# KiCad board s100_ColorMagic-1.1-006.kicad_pcb (continued)
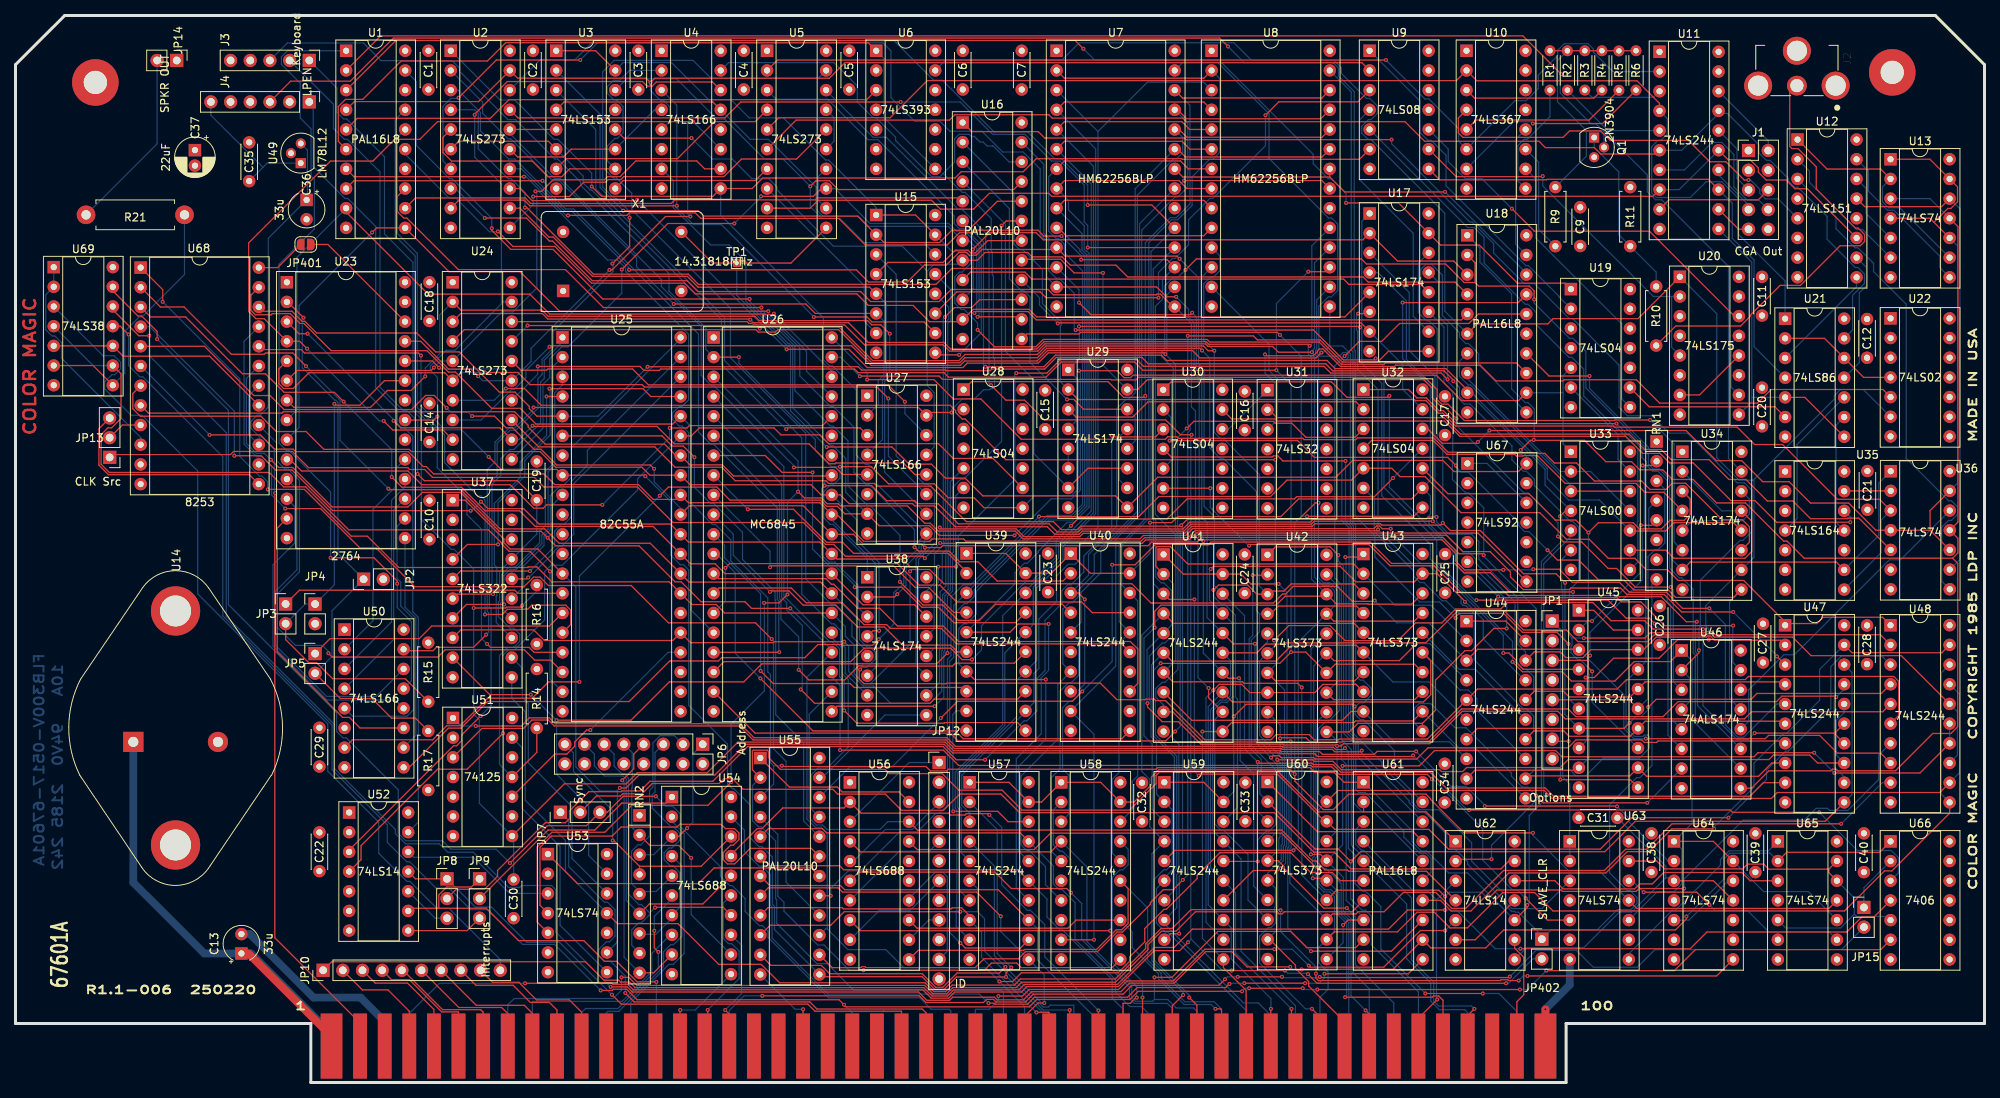
[diagram p0: board, top side]
## Routing (per net, layer and track width the routed paths; a pad name or vN(x,y) marks a point on that pad's centre or on a via; arc(x,y) is an arc through that point) (continued)
  Copper w0.152: U43.2 177.94,61.6 182.58,61.6 U44.2 ; v1(151.42,10.96) 151.42,11.25 146.88,15.79 146.88,26.21 148.12,27.45 148.48,27.45 149.21,28.17 149.21,35.2 U59.2 147.19,37.22 147.19,43.92 146.49,44.62 146.49,49.14 146.25,49.37 146.25,55.03 147.95,56.72 148.27,56.72 149.39,57.84 149.39,64.33 U41.2
DO1: length 103.8
  Component w0.152: U41.4 149.38,59.25 172.67,59.25 U43.5 ; v1(150.62,11.29) 149.23,9.9 P1.35
  Copper w0.152: v1(150.62,11.29) 150.62,11.65 146.6,15.67 146.6,29.53 U59.4 146.33,33 146.33,39.11 145.29,40.14 145.29,57.72 U41.4 ; U43.5 175.28,56.65 182.45,56.65 187.18,51.92
DO2: length 102.9
  Component w0.152: U41.6 149.17,54.38 162.58,54.38 164.63,56.43 172.95,56.43 U43.6
  Copper w0.152: U43.6 177.69,51.69 182.33,51.69 U44.6 ; 158.75,4.7 158.75,9.3 148.62,19.44 148.31,19.44 147.18,20.57 147.18,25.03 U59.6 148.2,26.41 149.49,27.7 149.49,42.02 146.77,44.74 146.77,49.26 146.53,49.49 146.53,53.89 U41.6
DO3: length 97.7
  Component w0.152: U41.8 151.73,46.74 171.16,46.74 172.3,47.88 U43.9
  Copper w0.152: U43.9 177.79,43.97 184.97,43.97 187.18,41.76 ; P1.89 161.93,8.68 160.33,10.27 158.41,10.27 148.2,20.47 U59.8 149.79,22.56 149.79,26.81 150.07,27.09 150.07,43.64 149.12,44.59 149.12,49.35 U41.8
DO4: length 90.3
  Component w0.152: U59.11 155.82,14.83 158.75,11.9 158.75,4.7 ; U43.12 180.28,46.66 172.85,46.66 172.65,46.45 156.88,46.45 U41.11 v1(153.11,45.29)
  Copper w0.152: v1(153.11,45.29) 153.11,18.6 U59.11 ; U44.11 188.45,43.03 186.36,43.03 U43.12
DO5: length 103.3
  Component w0.152: v1(161.95,9.5) 161.93,9.49 P1.39 ; U41.13 156.98,49.11 181.62,49.11 182.56,50.06 182.56,54.44 U43.15
  Copper w0.152: U43.15 186.36,50.65 187.41,50.65 188.54,49.52 188.54,48.02 194.8,41.76 ; v1(161.95,9.5) 161.95,10.83 156.83,15.95 156.83,19.96 U59.13 153.86,22.93 153.86,48.52 U41.13
DO6: length 102
  Component w0.152: 165.1,4.7 164.59,5.2 v1(164.59,9.5) ; U41.15 160.13,55.45 161.26,56.58 163.5,56.58 163.66,56.74 180.19,56.74 U43.16
  Copper w0.152: U43.16 186.23,53.32 188.32,53.32 U44.15 ; v1(164.59,9.5) 157.4,16.7 157.39,16.7 157.39,24.48 U59.15 154.15,27.72 154.15,48.09 155.41,49.35 156.14,49.35 156.73,49.94 156.73,54.45 U41.15
DO7: length 118
  Component w0.152: v1(186.98,62.03) 186.98,62.11 183.42,65.67 U43.19 180.46,64.62 172.88,64.62 170.88,66.62 154.54,66.62 v1(154.19,66.27)
  Copper w0.152: v1(186.98,62.03) 187.05,62.03 189.34,59.74 189.34,57.25 194.67,51.92 194.8,51.92 ; 165.1,4.7 165.1,9.93 158.1,16.93 158.1,28.85 U59.17 154.43,32.52 154.43,47.98 155.52,49.07 156.28,49.07 157.01,49.8 157.01,59.24 U41.17 154.03,62.23 154.03,66.11 v1(154.19,66.27)
DOTCLK: length 270.9
  Component w0.152: 194.9,89.02 193.89,88.01 186.55,88.01 183.27,91.28 144.15,91.28 143.84,90.96 143,90.96 142.11,91.86 v1(137.19,91.86) ; v1(72.75,51.71) 68.77,51.71 66.66,49.6 60.92,49.6 57.36,46.04 55.64,46.04 53.83,44.23 43.46,44.23 U50.7 ; v1(83.11,75.73) 84.23,76.84 90.48,76.84 92.15,75.16 103.83,75.16 104.64,74.36 106.02,74.36 106.99,73.39 U27.7 111.41,71.86 117.93,71.86 119.18,70.6 v1(128.87,70.6)
  Copper w0.152: 194.9,89.02 199.64,89.02 ; 199.64,89.02 199.64,82.4 U33.1 ; 199.64,89.02 199.64,91.23 U19.5 ; v1(83.11,75.73) 72.75,65.36 v1(72.75,51.71) ; v1(137.19,91.86) 137.37,91.69 137.37,76.47 136.22,75.32 133.59,75.32 v1(128.87,70.6) ; U27.7 107.09,76.18 107.09,80.56 105.47,82.19 105.15,82.19 100.26,87.08 100.26,94.93 99.82,95.36 99.69,95.36 94.21,100.84 94.21,105.94 92.06,108.1 89.66,108.1 84.85,112.91 84.85,116.42 U4.7
DOTD0: length 43.9
  Copper w0.152: U50.14 46.52,49.83 40.13,49.83 33.5,56.46 33.5,63.36 36.31,66.17 36.31,76.58 U23.11
DOTD1: length 40.8
  Copper w0.152: U50.12 49.01,49.35 40.19,49.35 33.21,56.33 33.21,66.82 36.03,69.63 36.03,74.32 U23.12
DOTD2: length 38.1
  Component w0.152: U23.13 33.76,71.56 33.76,55.56 42.19,47.12 43.07,47.12 44.44,45.75 U50.11
DOTD3: length 28.3
  Copper w0.152: U23.15 50.24,61.35 51.65,59.95 51.65,44.8 U50.10
DOTD4: length 35.7
  Copper w0.152: U50.5 43.46,47.28 50.51,47.28 51.36,48.13 51.36,59.83 49.7,61.49 49.7,64.58 49.21,65.06 49.21,71.77 U23.16
DOTD5: length 27.7
  Copper w0.152: U50.4 48.78,57.17 48.78,73.88 U23.17
DOTD6: length 27.7
  Copper w0.152: U50.3 48.5,59.43 48.5,75.13 50.24,76.88 U23.18
DOTD7: length 27.7
  Copper w0.152: U23.19 49.02,79.2 49.02,76.89 46.11,73.98 46.11,59.58 U50.2
ENABLE_BLINK: length 175.3
  Component w0.152: v1(137.76,133.42) 136.69,134.48 49.06,134.48 U1.3 ; v1(171.64,113.51) 178.4,113.51 U17.15 183.84,108.08 188.83,108.08 193.75,103.16 199.88,103.16 U19.1
  Copper w0.152: v1(171.64,113.51) 171.64,114.71 169.71,116.64 169.34,116.64 167.4,118.59 167.4,119.79 155.21,131.98 139.19,131.98 v1(137.76,133.42)
FB1: length 32
  Component w0.152: U33.12 U33.3
  Copper w0.152: U33.3 200.65,77.08 187.7,90.03 187.39,90.03 186.27,91.15 186.27,93.09 187.28,94.1
FB2: length 28.8
  Copper w0.152: U18.8 187.28,90.86 199.28,78.86 U33.2 203.19,78.86 U33.11
G: length 168.5
  Component w0.152: U11.6 211.59,119.83 204.5,119.83 203.68,120.65 197.35,120.65 196.53,121.47 181.77,121.47 179.24,124 151.06,124 150.6,124.46 133.73,124.46 133.29,124.9 121.18,124.9 120.48,124.2 100.7,124.2 U5.6
  Copper w0.152: 219.7,125.07 214.95,120.31 U11.6 ; 219.7,125.07 U11.17 ; 219.7,125.07 220.83,125.07 224.9,121 224.9,119.98 225.87,119.01 226.35,119.01 228.72,116.64 228.72,116.34 229.51,115.55 229.92,115.55 233.69,111.78 233.69,108.82 237.33,105.19 237.68,105.19 238.52,104.35 238.52,103.12 236.98,101.58 236.98,97.12 U21.13
G_OUT: length 6.7
  Copper w0.152: U11.14 219.7,117.12 223.56,113.26 J1.7
GA0: length 72.2
  Component w0.152: U39.11 129.26,46.45 119.85,46.45 119.77,46.37 108.54,46.37 v1(106.9,48.01)
  Copper w0.152: U26.4 99.12,79.48 99.12,62.79 105.02,56.88 105.39,56.88 106.31,55.97 106.31,52.36 106.9,51.77 v1(106.9,48.01)
GA1: length 70.5
  Component w0.152: v1(101.3,50.73) 103.09,48.94 117.95,48.94 118.51,49.49 129.28,49.49 U39.13
  Copper w0.152: U26.5 98.83,77.22 98.83,62.57 99.48,61.92 99.48,61 101.49,58.99 101.49,50.93 v1(101.3,50.73)
GA2: length 66.1
  Component w0.152: v1(101.03,53.26) 102.33,51.96 106.96,51.96 108.77,53.77 109.15,53.77 109.18,53.74 120.87,53.74 121.25,54.12 128.83,54.12 U39.15
  Copper w0.152: U26.6 98.55,74.96 98.55,62.45 98.74,62.26 98.74,59.8 101.03,57.51 v1(101.03,53.26)
GA3: length 55.6
  Component w0.152: U39.17 128.98,59.34 121.05,59.34 119.06,61.33 116.92,61.33 114.33,63.92 v1(108.27,63.92) ; U26.7 96.72,80.92 98.9,78.74 v1(102.82,78.74)
  Copper w0.152: v1(102.82,78.74) 102.82,68.85 104.99,66.68 105.74,66.68 108.27,64.16 v1(108.27,63.92)
GA4: length 38
  Component w0.152: U39.2 122.68,65.92 120.3,68.29 108.12,68.29 106.69,69.72 104.62,69.72 100.37,73.97 v1(94.46,73.97)
  Copper w0.152: U26.8 v1(94.46,73.97)
GA5: length 40.3
  Component w0.152: v1(97.34,66.5) 97.52,66.68 113.26,66.68 116.06,63.89 117.8,63.89 121.03,60.66 U39.4
  Copper w0.152: U26.9 97.34,68.56 v1(97.34,66.5)
GA6: length 41.6
  Component w0.152: U39.6 121.51,55.58 120.64,56.44 114.43,56.44 112.08,58.79 108.65,58.79 105.83,61.6 101.61,61.6 99.77,63.44 97.45,63.44 v1(97.32,63.32)
  Copper w0.152: v1(97.32,63.32) 92.58,68.06 92.58,70.77 U26.10
GA7: length 47.8
  Component w0.152: U39.8 122.19,50.98 108.19,50.98 107.68,51.49 97.74,51.49 v1(96.12,53.12)
  Copper w0.152: v1(96.12,53.12) 96.11,53.12 96.11,63.08 91.48,67.71 91.48,69.34 U26.11
GA8: length 70.1
  Component w0.152: U40.11 142.72,44.37 122.24,44.37 121.24,45.37 102.87,45.37 v1(96.09,52.16)
  Copper w0.152: U26.12 90.42,68.22 92.85,65.79 92.85,55.4 v1(96.09,52.16)
GA9: length 64.6
  Component w0.152: U26.13 90.71,65.03 104.52,65.03 105.25,64.31 105.55,64.31 108.65,61.21 111.49,61.21 113.78,58.91 119.68,58.91 121.67,56.92 143.81,56.92 144.77,55.96 144.77,51.5 U40.13
GA10: length 57.4
  Component w0.152: U40.15 142.69,56.61 121.42,56.61 119.42,58.61 112.85,58.61 112.37,59.09 109.46,59.09 106.65,61.91 101.99,61.91 100.07,63.82 90.74,63.82 U26.14
GA11: length 61.5
  Component w0.152: U40.17 138.91,60.64 137.52,62.02 121.42,62.02 119.24,64.19 116.55,64.19 113.77,66.97 92.13,66.97 v1(91.57,66.42)
  Copper w0.152: v1(91.57,66.42) 91.57,62.11 U26.15
GA12: length 95.4
  Component w0.152: U1.7 43.66,116.9 v1(65.59,116.9)
  Copper w0.152: v1(65.59,116.9) 65.87,116.9 67.53,115.24 67.53,114.98 76.37,106.14 77.65,106.14 78.7,105.09 78.7,104.69 86.83,96.56 86.83,88.1 85.99,87.27 85.62,87.27 84.75,86.39 84.75,85.61 85.63,84.72 85.98,84.72 86.84,83.87 86.84,66.8 87.12,66.51 87.12,61 U26.16
GA13: length 108.5
  Component w0.152: U1.8 43.66,116.38 v1(67.98,116.38) ; U26.17 98.5,55.52 v1(98.52,55.54)
  Copper w0.152: v1(98.52,55.54) 98.46,55.6 98.46,62.15 98.27,62.34 98.27,74.15 90.07,82.35 89.71,82.35 88.1,83.96 88.1,96.61 71.97,112.74 70.97,112.74 68.48,115.23 68.48,115.89 v1(67.98,116.38)
GRPH: length 136.4
  Component w0.152: U17.5 171.49,98.81 131.72,98.81 130.75,99.78 123.52,99.78 122.24,98.5 U16.11 121.88,98.19 117.89,98.19 115.8,100.29 110.02,100.29 108.53,101.78 87.68,101.78 86.3,103.16 74.32,103.16 69.58,107.9 64.17,107.9 v1(62.23,109.84)
  Copper w0.152: U1.15 50.27,119.81 55.98,114.11 56.84,114.11 61.15,109.79 62.17,109.79 v1(62.23,109.84)
HCLK: length 246.8
  Component w0.152: U18.17 193.83,100.65 v1(178.94,100.65) ; v1(146.35,72.26) 149.14,72.26 149.92,73.04 163.23,73.04 165.5,75.31 180.08,75.31 U32.9 ; U61.8 171.9,20.97 v1(171.26,20.33) ; 181.5,46.36 183.17,48.03 183.17,51.92 186.98,55.73 187.83,55.73 190.7,58.6 v1(192.35,58.6) ; 181.5,46.36 U43.11 ; 181.5,46.36 173.16,46.36 172.05,45.25 U42.11 ; v1(210.5,36.09) 197.1,36.09 v1(196.16,37.04) ; U39.1 127.76,68.28 U39.19 133.61,65.74 U40.1 138.67,65.72 U40.19
  Copper w0.152: v1(171.26,20.33) 171.26,18.04 169.15,15.93 ; v1(178.94,100.65) 178.94,93.41 182.51,89.85 182.51,77.74 U32.9 182.53,75.7 182.53,73.33 182.35,73.15 182.35,72.1 185.71,68.74 185.71,67.35 187.09,65.97 188.66,65.97 192.35,62.28 v1(192.35,58.6) ; U43.11 180.47,46.38 180.47,48.31 181.07,48.91 182.55,48.91 185.68,45.78 187.13,45.78 192.96,39.95 192.96,39.54 194.37,38.13 195.06,38.13 v1(196.16,37.04) ; U42.11 169.35,45.25 171.04,43.55 171.04,41.69 171.66,41.07 171.66,23.52 173.9,21.28 U61.8 ; U40.19 146.35,68.32 v1(146.35,72.26) ; U46.7 v1(210.5,36.09)
HDGRAPHIC: length 91
  Component w0.152: U17.12 181.29,103.01 172,103.01 171.32,103.68 131.11,103.68 130.21,104.58 123.19,104.58 U16.9
  Copper w0.152: U18.11 188.75,92.63 188.75,94.06 187.43,95.37 187.07,95.37 186.27,96.17 186.27,96.77 184.07,98.98 184.07,104.2 182.68,105.59 181.93,105.59 181.28,104.94 181.28,103.02 U17.12
HI_ADDR: length 108.2
  Component w0.152: v1(158.52,12.82) v1(166.36,12.82) ; v1(125.51,10.24) 126.25,10.24 126.37,10.11 130.55,10.11 131.44,11 143.45,11 144.71,12.26 156.12,12.26 v1(156.6,12.73) ; v1(168.85,14.04) 179.67,14.04 U61.11
  Copper w0.152: U54.19 94.03,32.57 94.03,29.81 95.93,27.91 96.29,27.91 97.35,26.85 97.35,22.9 97.59,22.66 97.59,18.62 104.81,11.41 124.34,11.41 v1(125.51,10.24) ; v1(158.52,12.82) 156.68,12.82 v1(156.6,12.73) ; v1(166.36,12.82) 168.16,12.82 168.85,13.51 v1(168.85,14.04)
HRES: length 74.7
  Component w0.152: U18.3 185.53,106.01 178.28,106.01 U17.2 173.83,108.76 132.58,108.76 131.66,109.67 125.64,109.67 v1(123.48,107.52)
  Copper w0.152: U16.10 123.56,102.41 123.56,107.44 v1(123.48,107.52)
HSYNC: length 128.5
  Component w0.152: v1(108.92,91.14) 108.95,91.17 119.14,91.17 119.58,90.74 141.32,90.74 141.37,90.68 144.53,90.68 144.85,91 181.81,91 183.39,89.42 183.39,88.14 183.98,87.55 184.79,87.55 186.91,85.43 206.27,85.43 206.34,85.5 v1(210.86,85.5)
  Copper w0.152: v1(108.92,91.14) 106.44,93.61 U26.39 ; U34.6 213.96,69.76 213.96,82.4 v1(210.86,85.5)
HSYNC_OUT: length 40.4
  Component w0.152: U21.8 230.82,88.42 U21.5
  Copper w0.152: U11.11 223.98,105.88 223.98,88.42 ; 223.98,88.42 U21.5 ; 223.98,88.42 223.98,87.86 U20.9
I: length 130.2
  Component w0.152: v1(176.79,131.95) 98.29,131.95 U5.2
  Copper w0.152: v1(176.79,131.95) 181.81,126.93 182.33,126.93 186.17,123.09 186.17,121.46 U10.6 193.43,126.71 194.86,126.71 196.44,128.29 196.44,130.02 198.93,132.51 198.93,133.21 199.79,134.06 202.86,134.06 203.55,133.38 203.55,132.97 206.05,130.47 U11.2
I_OUT: length 10.3
  Copper w0.152: U11.18 226.1,121.53 J1.2
KBD_CLK: length 288.8
  Component w0.152: v1(180.68,42.73) 175.66,42.73 175.28,42.36 168.59,42.36 168.23,42.72 163.26,42.72 163.16,42.82 121.02,42.82 119.91,43.93 93.19,43.93 89.23,39.97 80.2,39.97 78.78,38.55 70.8,38.55 U51.8 ; v1(65.37,61.55) 65.17,61.35 63.34,61.35 63.23,61.24 v1(59.11,61.24) ; v1(189.54,35.67) 206.55,35.67 v1(206.6,35.63)
  Copper w0.152: J3.1 41.47,128.34 41.47,125.2 42.31,124.36 42.71,124.36 47.6,119.48 47.6,109.52 51.27,105.85 51.27,86.71 52.35,85.63 52.35,72.69 56.23,68.81 56.58,68.81 59.11,66.28 v1(59.11,61.24) 59.11,47.53 59.84,46.8 59.84,36.03 U51.8 64.26,31.6 C30.1 ; U64.2 213.2,28.58 208.07,33.7 208.07,34.16 v1(206.6,35.63) ; v1(65.37,61.55) 67.25,63.43 R16.1 ; v1(180.68,42.73) 185.21,38.21 187.12,38.21 189.54,35.79 v1(189.54,35.67)
KBD_DATA: length 126.5
  Component w0.152: U51.11 67.25,42.61 R14.1 ; C19.1 64.73,77.67 52.73,77.67 v1(51.87,78.53)
  Copper w0.152: C19.1 67.25,70.77 U37.17 62.45,65.97 62.45,62.15 62.3,62.01 62.3,60.13 63.78,58.64 64.26,58.64 65.05,57.86 65.05,56.93 64.27,56.15 63.48,56.15 62.43,55.1 62.43,41.05 U51.11 ; 35.36,131.91 41.02,126.24 41.02,123.12 42.42,121.72 42.81,121.72 47.02,117.51 47.02,89.73 49.99,86.77 50.44,86.77 51.87,85.34 v1(51.87,78.53)
LATCH_CLK: length 99.5
  Component w0.152: v1(124.11,98.82) 129.48,98.82 U16.14 ; v1(96.16,114.37) 102.94,114.37 103.95,115.38 U5.13 ; v1(92.73,110.86) 84.14,110.86 v1(78.2,104.92)
  Copper w0.152: v1(124.11,98.82) 124.3,99 124.3,108.02 122.44,109.87 121.38,109.87 120.39,110.86 110.23,110.86 105.71,115.38 U5.13 ; U24.11 68.05,84.45 68.05,90.1 68.92,90.97 68.92,93.41 70.45,94.94 71.26,94.94 78.2,101.88 v1(78.2,104.92) ; v1(96.16,114.37) 96.16,114.29 v1(92.73,110.86)
LC1: length 5.9
  Copper w0.152: U5.12 103.56,113.84 103.56,116.91 U5.14
LC2: length 5.9
  Copper w0.152: U5.17 105.6,124.51 105.6,121.48 U5.15
LCLK: length 169.1
  Component w0.152: 135.8,89.43 137.09,88.14 180.45,88.14 180.59,88 181.94,88 183.56,86.38 184.12,86.38 185.77,84.73 206.1,84.73 206.25,84.58 222.1,84.58 224.34,82.33 227.96,82.33 235.02,75.27 240.44,75.27 U36.3
  Copper w0.152: U29.4 136.81,85.36 136.81,88.42 134.79,90.44 134.79,97.65 134.91,97.77 134.91,98.16 134.64,98.43 134.57,98.43 132.48,100.52 132.48,104.93 129.92,107.48 129.55,107.48 128.79,108.24 128.79,114.74 U16.2 ; U35.8 240.67,68.39 240.67,72.59 U36.3
LPENSTR: length 215.1
  Component w0.152: v1(100.96,76.25) 101.76,75.44 103.95,75.44 104.69,74.7 106.12,74.7 106.4,74.42 115.05,74.42 117.29,72.18 118.01,72.18 119.02,71.17 128.96,71.17 129.96,70.17 145.06,70.17 145.49,70.59 150.96,70.59 151.85,71.49 175.25,71.49 175.58,71.82 175.96,71.82 176.32,71.47 v1(177.4,71.47) ; v1(191.92,55.42) 192.65,55.42 193.58,54.5 193.58,54.24 194.5,53.32 U45.4 ; v1(96.57,61.9) 98.49,61.9 v1(99.58,62.98) ; U53.5 67.3,20.7 67.3,30.39 69.21,32.3 76.02,32.3 79.5,35.78 89.32,35.78 v1(92.3,38.76)
  Copper w0.152: U26.3 100.96,80.18 v1(100.96,76.25) 99.58,74.87 v1(99.58,62.98) ; v1(177.4,71.47) 177.4,70.83 181.26,66.98 182.67,66.98 191.92,57.73 v1(191.92,55.42) ; v1(92.3,38.76) 92.3,46.24 96.6,50.54 96.6,61.87 v1(96.57,61.9)
MA0: length 118.6
  Component w0.152: v1(120.98,34.99) 126.71,34.99 128.04,33.66 U57.18 ; U7.10 134.52,110.3 135.54,109.28 153.28,109.28 U8.10
  Copper w0.152: U39.9 121.37,47.96 ; 121.37,47.96 121.37,60.78 122.39,61.8 122.73,61.8 123.68,62.75 123.68,63.6 132.37,72.3 132.59,72.3 133.17,72.87 136.3,72.87 137.93,74.5 137.93,106.69 137.29,107.33 137.29,107.52 134.52,110.3 U7.10 ; 121.37,47.96 120.92,47.51 120.92,35.05 v1(120.98,34.99)
MA1: length 127.7
  Component w0.152: U39.7 123.71,52.01 v1(132.9,52.01) ; U7.9 135.31,113.85 153.29,113.85 U8.9
  Copper w0.152: U57.16 129.41,29.87 129.41,40.82 132.9,44.31 v1(132.9,52.01) ; U39.7 121.67,54.05 121.67,58.57 122.31,59.21 122.69,59.21 123.96,60.48 123.96,63.41 132.57,72.02 132.71,72.02 133.28,72.59 136.42,72.59 138.21,74.39 138.21,106.81 137.58,107.45 137.58,109.56 U7.9
MA2: length 136.2
  Component w0.152: v1(133.26,59.18) 129.35,59.18 128.29,58.12 U39.5 ; U7.8 135.33,116.4 150.08,116.4 151.11,115.38 U8.8
  Copper w0.152: U7.8 135.84,113.84 135.84,112.61 137.86,110.59 137.86,107.56 138.13,107.3 138.21,107.3 138.49,107.01 138.49,74.27 136.53,72.31 135.68,72.31 131.92,68.54 131.92,68.42 130.51,67.01 130.14,67.01 128.93,65.8 128.93,64.38 U39.5 ; v1(133.26,59.18) 133.26,53.18 132.31,52.23 132.31,45 129.1,41.79 129.1,25.1 U57.14
MA3: length 142.4
  Component w0.152: U7.7 135.32,118.93 150.27,118.93 151.29,117.92 U8.7 ; v1(121.88,17.99) 122.52,17.36 129.64,17.36 130.7,18.42
  Copper w0.152: U7.7 133.28,116.9 133.28,109.88 134.24,108.93 134.55,108.93 135.31,108.17 135.31,107.09 137.65,104.75 137.65,74.62 136.22,73.18 133.08,73.18 132.48,72.58 132.05,72.58 U39.3 121.03,61.55 121.03,54.88 120.51,54.36 120.51,19.36 v1(121.88,17.99)
MA4: length 132.8
  Component w0.152: U8.6 151.49,120.45 150.48,121.47 135.31,121.47 U7.6
  Copper w0.152: U7.6 138.78,115.98 138.78,73.75 134.55,69.53 134.55,67.68 130.3,63.42 U39.18 127.34,60.25 127.34,46.19 121.22,40.06 121.22,35.41 121.43,35.19 121.43,22.27 121.37,22.2 121.37,20.13 123.08,18.42
MA5: length 130.2
  Component w0.152: U8.5 151.47,123 150.46,124 135.31,124 U7.5
  Copper w0.152: U7.5 139.06,118.24 139.06,73.52 134.84,69.3 134.84,67.45 131.3,63.92 131.3,59.13 U39.16 127.62,55.45 127.62,46.07 121.5,39.94 121.5,35.52 121.72,35.3 121.72,24.86 U57.7
MA6: length 127.7
  Component w0.152: U8.4 153.29,126.55 135.31,126.55 U7.4
  Copper w0.152: U7.4 139.34,120.5 139.34,73.4 135.12,69.19 135.12,67.23 131.73,63.84 131.73,54.48 U39.14 129.17,51.92 129.17,47.22 121.78,39.83 121.78,35.63 122,35.42 122,29.66 U57.5
MA7: length 122.6
  Copper w0.152: U8.3 153.27,129.11 146.01,129.11 139.64,122.73 ; 139.64,122.73 139.64,71.67 137.23,69.26 137.23,67.44 136.68,66.89 135.8,66.89 134.3,65.39 134.3,62.1 132.01,59.82 132.01,53.43 131.38,52.8 131.38,49.05 U39.12 130.3,47.87 122.07,39.65 122.07,35.78 123.08,34.77 U57.3 ; 139.64,122.73 U7.3
MA8: length 140.7
  Component w0.152: U7.25 149.92,125.53 151.08,124.38 168.38,124.38 U8.25 ; 134.9,18.42 v1(139.12,18.42)
  Copper w0.152: v1(139.12,18.42) 139.12,44.94 U40.9 141.93,53.74 141.93,70.12 145.28,73.47 145.28,110 149.57,114.29 149.93,114.29 151.22,115.57 151.22,123.85 U7.25
MA9: length 133
  Component w0.152: U7.24 150.09,123 151.1,121.99 168.53,121.99 U8.24
  Copper w0.152: U58.7 132.87,25.53 132.87,27.85 130.77,29.95 130.45,29.95 129.69,30.7 129.69,39.54 134.46,44.31 134.46,51.35 U40.7 135.1,54.04 135.1,61.09 135.91,61.91 136.29,61.91 137.17,62.78 137.17,63.62 139.15,65.61 139.15,68.14 144.72,73.7 144.72,114.52 149.38,119.19 149.74,119.19 150.58,120.02 150.58,121.96 U7.24
MA10: length 115.8
  Component w0.152: U8.21 168.51,116.4 v1(150.76,116.4)
  Copper w0.152: v1(150.76,116.4) 149.74,115.38 U7.21 145,110.83 145,73.59 140.01,68.59 140.01,65.79 137.45,63.24 137.45,59.42 U40.5 137.14,57.08 137.14,52.55 136.2,51.62 135.84,51.62 134.74,50.51 134.74,40.47 133.59,39.32 133.59,29.89 U58.5
MA11: length 116.9
  Component w0.152: v1(137.93,62.36) 137.11,63.17 U40.3 ; U7.23 149.91,120.45 150.92,119.45 168.53,119.45 U8.23
  Copper w0.152: U58.3 135.92,34.68 135.92,39.61 135.07,40.46 135.07,48.36 135.92,49.21 136.28,49.21 137.16,50.09 137.16,50.66 137.93,51.43 v1(137.93,62.36) ; U7.23 144.44,115.35 144.44,89.02 143.57,88.16 143.26,88.16 142.05,86.95 142.05,71.79 138.42,68.16 138.42,65.47 U40.3
MA12: length 125.9
  Component w0.152: U7.2 135.31,129.61 153.29,129.61 U8.2
  Copper w0.152: U8.2 155.33,129.58 155.33,120.03 154.49,119.19 154.08,119.19 151.78,116.88 151.78,113.2 149.91,111.33 149.11,111.33 146.2,108.41 146.2,72.8 142.7,69.3 142.7,64.22 U40.18 144.77,62.15 144.77,39.57 144.06,38.86 144.06,35.2 U58.18
MA13: length 152.1
  Component w0.152: U28.1 123.33,90.46 140.92,90.46 142.95,88.42 145.56,88.42 v1(145.74,88.61) ; U8.26 168.53,127.07 150.55,127.07 U7.26
  Copper w0.152: U58.16 141.5,29.6 141.5,39.14 142.34,39.98 142.34,56.69 U40.16 142.38,59.46 142.38,69.38 145.74,72.74 v1(145.74,88.61) 145.74,108.39 148.96,111.61 149.74,111.61 151.5,113.37 151.5,126.11 U7.26
MD0: length 205.6
  Component w0.152: v1(154.65,94.44) 153.85,94.44 153.24,95.05 132.92,95.05 131.83,93.96 122.5,93.96 121.71,93.17 110.56,93.17 106.24,97.49 96.2,97.49 v1(96.01,97.3) ; U24.3 57.43,99.24 67.97,99.24 68.67,98.53 94.69,98.53 v1(94.78,98.43) ; U43.3 172.66,64.34 164.55,64.34 163.63,63.42 161.9,63.42 U42.3 160.13,63.03 158.95,64.2 155.18,64.2 v1(154.54,63.56)
  Copper w0.152: v1(96.01,97.3) 94.88,98.43 v1(94.78,98.43) ; U42.3 160.44,64.09 160.44,78.48 155.87,83.05 155.49,83.05 154.65,83.89 v1(154.65,94.44) 153.29,95.8 153.29,103.08 154.15,103.95 154.54,103.95 155.35,104.75 155.35,106.71 U8.11 ; U59.18 157.63,35.48 157.63,49.49 157.37,49.75 157.37,60.32 155.98,61.71 155.57,61.71 154.54,62.74 v1(154.54,63.56)
MD1: length 202.3
  Component w0.152: U59.16 155.88,28.53 v1(160.24,28.53) ; U42.4 161.9,60.48 162.91,61.49 172.97,61.49 U43.4 ; v1(153.06,94.47) 152.78,94.75 133.03,94.75 131.81,93.54 122.47,93.54 121.82,92.89 110.45,92.89 106.17,97.16 98.35,97.16 98.03,96.84 95.82,96.84 95.51,97.16 57.9,97.16 U24.4
  Copper w0.152: U8.12 153,103.91 153,94.54 v1(153.06,94.47) 154.05,93.48 154.05,81.91 155.46,80.5 155.84,80.5 160.09,76.25 160.09,60.87 160.47,60.48 ; 160.47,60.48 U42.4 ; 160.47,60.48 160.47,58.16 159.42,57.11 159.42,43.5 162.54,40.39 162.54,33.26 161.72,32.44 161.34,32.44 160.24,31.34 v1(160.24,28.53)
MD2: length 213.8
  Component w0.152: v1(63.26,89.57) 65.65,89.57 67.82,87.4 120.58,87.4 121.27,86.7 121.27,86.47 122.13,85.62 122.5,85.62 127.75,80.37 v1(162.52,80.37) ; U59.14 159.67,27.36 162.92,27.36 v1(163.21,27.65) ; U42.7 162.51,51.86 172.77,51.86 U43.7
  Copper w0.152: v1(63.26,89.57) 61.73,88.04 U24.7 ; v1(163.21,27.65) 163.84,28.28 163.84,30.38 163.99,30.53 163.99,42.26 163.71,42.54 163.71,50.66 U42.7 162.83,54.19 162.83,63.79 162.47,64.15 162.47,64.53 162.52,64.58 v1(162.52,80.37) 162.8,80.65 162.8,90.8 161.7,91.91 161.7,95.28 U8.13
MD3: length 227.5
  Component w0.152: v1(68.89,94.96) 69.02,95.08 107.86,95.08 110.38,92.55 121.89,92.55 122.45,93.12 131.79,93.12 133.14,94.47 151.82,94.47 152.78,93.51 167.76,93.51 v1(168.45,94.2) ; U43.8 172.93,51.37 168.64,51.37 167.59,50.32 U42.8 159.23,50.32 158.17,51.38 155.3,51.38 v1(154.52,50.61)
  Copper w0.152: 169.54,95.06 168.68,94.2 v1(168.45,94.2) ; 169.54,95.06 U8.15 ; 169.54,95.06 171.19,95.06 172.2,94.06 172.2,72.21 172.59,71.81 172.59,51.71 U43.8 ; U24.8 60.05,85.5 63.99,89.44 64.31,89.44 65.84,90.97 65.84,91.9 v1(68.89,94.96) ; v1(154.52,50.61) 153.57,49.66 153.57,20.68 U59.12
MD4: length 235
  Component w0.152: v1(168.08,74.81) 167.68,74.81 165.56,72.69 151.16,72.69 v1(150.37,71.9) 150.27,71.8 137.45,71.8 137,71.36 134.91,71.36 133.88,72.38 122.66,72.38 118.09,76.96 111.13,76.96 110.79,77.31 104.89,77.31 104.53,77.66 92.83,77.66 91.09,79.41 85.09,79.41 82.46,82.03 67.48,82.03 U24.13 ; v1(150.12,19.21) 148.98,19.21 U59.9 ; U42.13 170.03,49.42 180.49,49.42 U43.13
  Copper w0.152: v1(150.37,71.9) 150.54,71.73 150.54,27.05 150.12,26.62 v1(150.12,19.21) ; U8.16 167.85,100.99 167.85,94.65 167.71,94.5 167.71,93.89 168.08,93.52 v1(168.08,74.81) 168.08,65.14 168.74,64.48 169.53,64.48 170.47,63.54 170.47,51.67 U42.13
MD5: length 226.9
  Component w0.152: v1(147.73,54.1) 147.74,54.08 163.08,54.08 v1(164.55,55.55) 166.44,55.55 U42.14 170.24,53.98 180.48,53.98 U43.14 ; U8.17 168.97,104.65 v1(166.77,104.65) ; v1(67.37,92.42) 80.55,92.42 81.06,91.91 83.07,91.91 83.25,92.08 108.22,92.08 108.7,91.61 119.78,91.61 120.36,91.03 132.93,91.03 134.89,92.99 144.35,92.99 145.42,91.92 v1(162.66,91.92)
  Copper w0.152: v1(147.73,54.1) 146.81,53.19 146.81,49.61 147.05,49.37 147.05,44.86 149.79,42.12 149.79,27.6 149.51,27.32 149.51,24.82 U59.7 ; v1(166.77,104.65) 162.66,100.54 162.66,91.93 v1(162.66,91.92) 164.55,90.04 v1(164.55,55.55) ; v1(67.37,92.42) 67.37,91.39 U24.14
MD6: length 219.4
  Component w0.152: U43.17 181.48,60.59 180.44,59.54 170.07,59.54 U42.17 ; v1(66.05,97.69) 95.09,97.69 95.17,97.77 106.95,97.77 109.52,95.2 119.67,95.2 120.49,94.39 131.86,94.39 132.81,95.33 153.5,95.33 153.83,94.99 162.17,94.99 162.91,94.25 v1(167.23,94.25) ; v1(164.86,29.96) 149.57,29.96 U59.5
  Copper w0.152: v1(164.86,29.96) 165.48,30.58 165.48,40.02 165.48,40.02 165.48,56.84 U42.17 170.16,61.52 170.16,63.43 169.48,64.12 168.68,64.12 167.57,65.23 167.57,93.63 167.41,93.79 167.41,94.25 ; 167.41,94.25 167.41,94.61 167.57,94.76 167.57,105.78 U8.18 ; 167.41,94.25 v1(167.23,94.25) ; U24.17 v1(66.05,97.69)
MD7: length 219.8
  Component w0.152: v1(166.94,95.08) 166.75,95.27 153.95,95.27 153.61,95.61 132.69,95.61 131.75,94.67 120.61,94.67 119.77,95.51 110.01,95.51 107.47,98.05 95.06,98.05 94.98,97.97 94.59,97.97 94.37,98.2 U24.18 ; U43.18 180.1,61.73 174.5,61.73 174.45,61.77 170.38,61.77 U42.18 168.86,62.76 163.78,62.76 162.62,61.6 147.74,61.6 146.95,60.81 v1(146.95,58.71)
  Copper w0.152: U59.3 146.63,35.24 146.63,43.69 145.57,44.75 145.57,57.33 v1(146.95,58.71) ; U42.18 167.18,64.97 167.18,93.62 166.77,94.03 166.77,94.92 v1(166.94,95.08) 167.23,95.37 167.23,107.98 U8.19
